# KiCad board explorekb-rev4.kicad_pcb
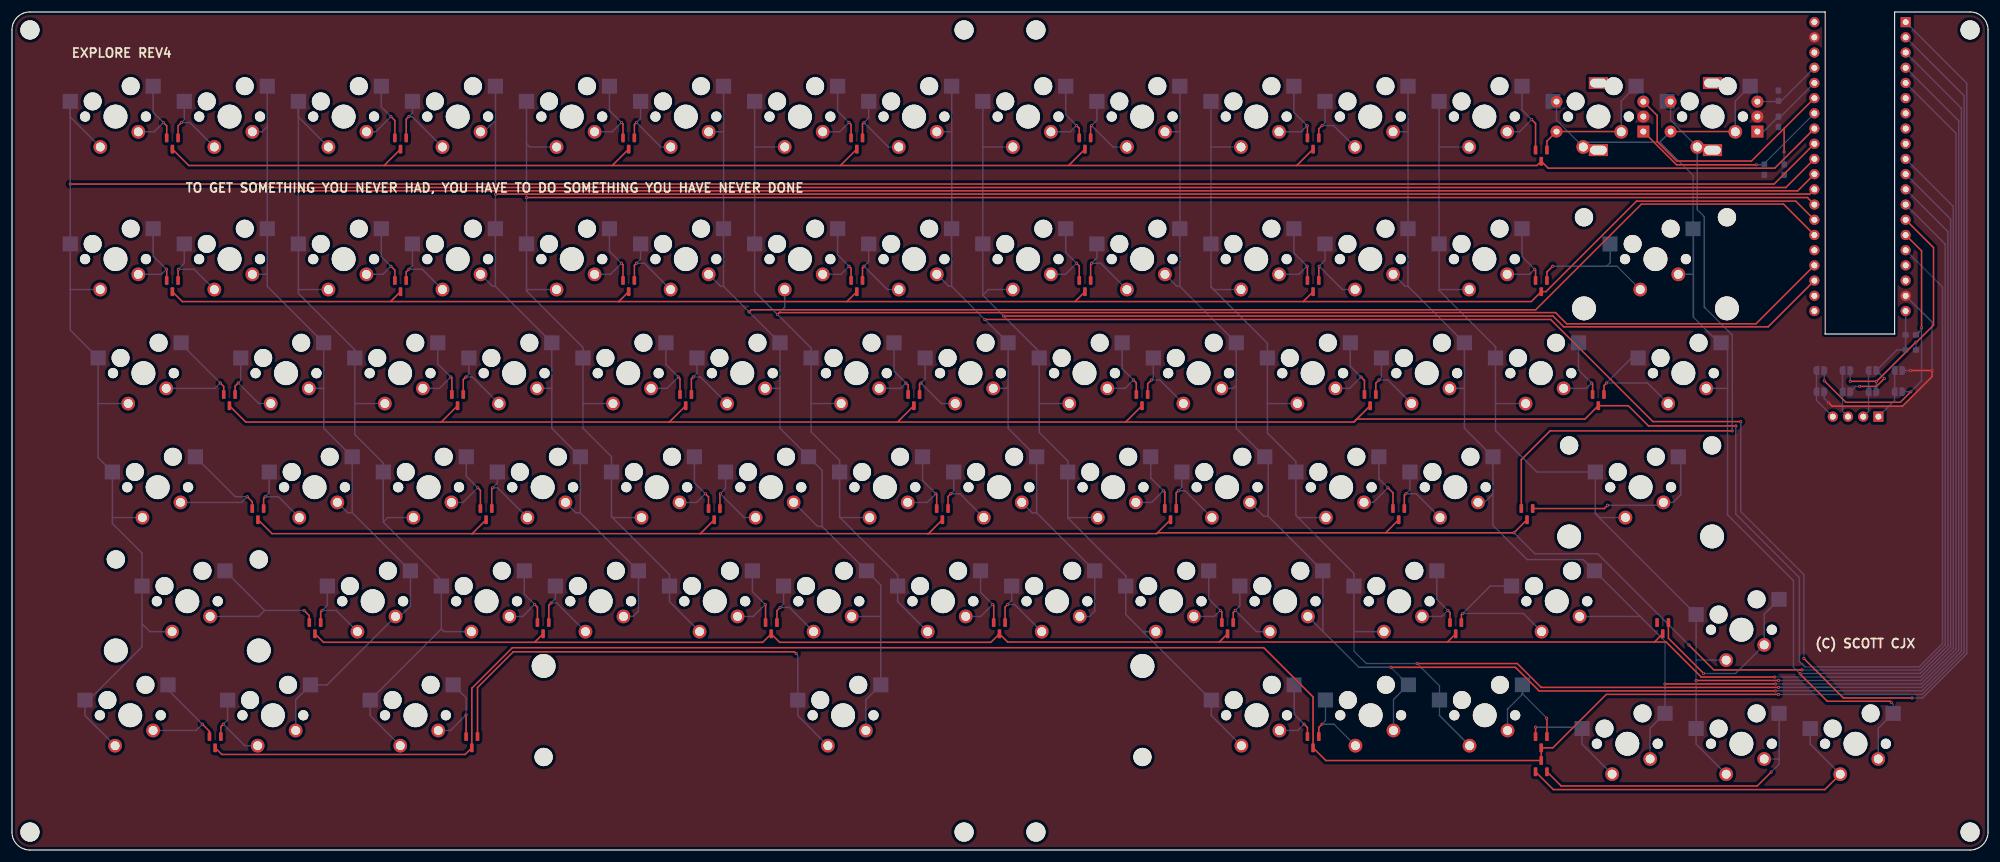
[diagram p0: board, top side]
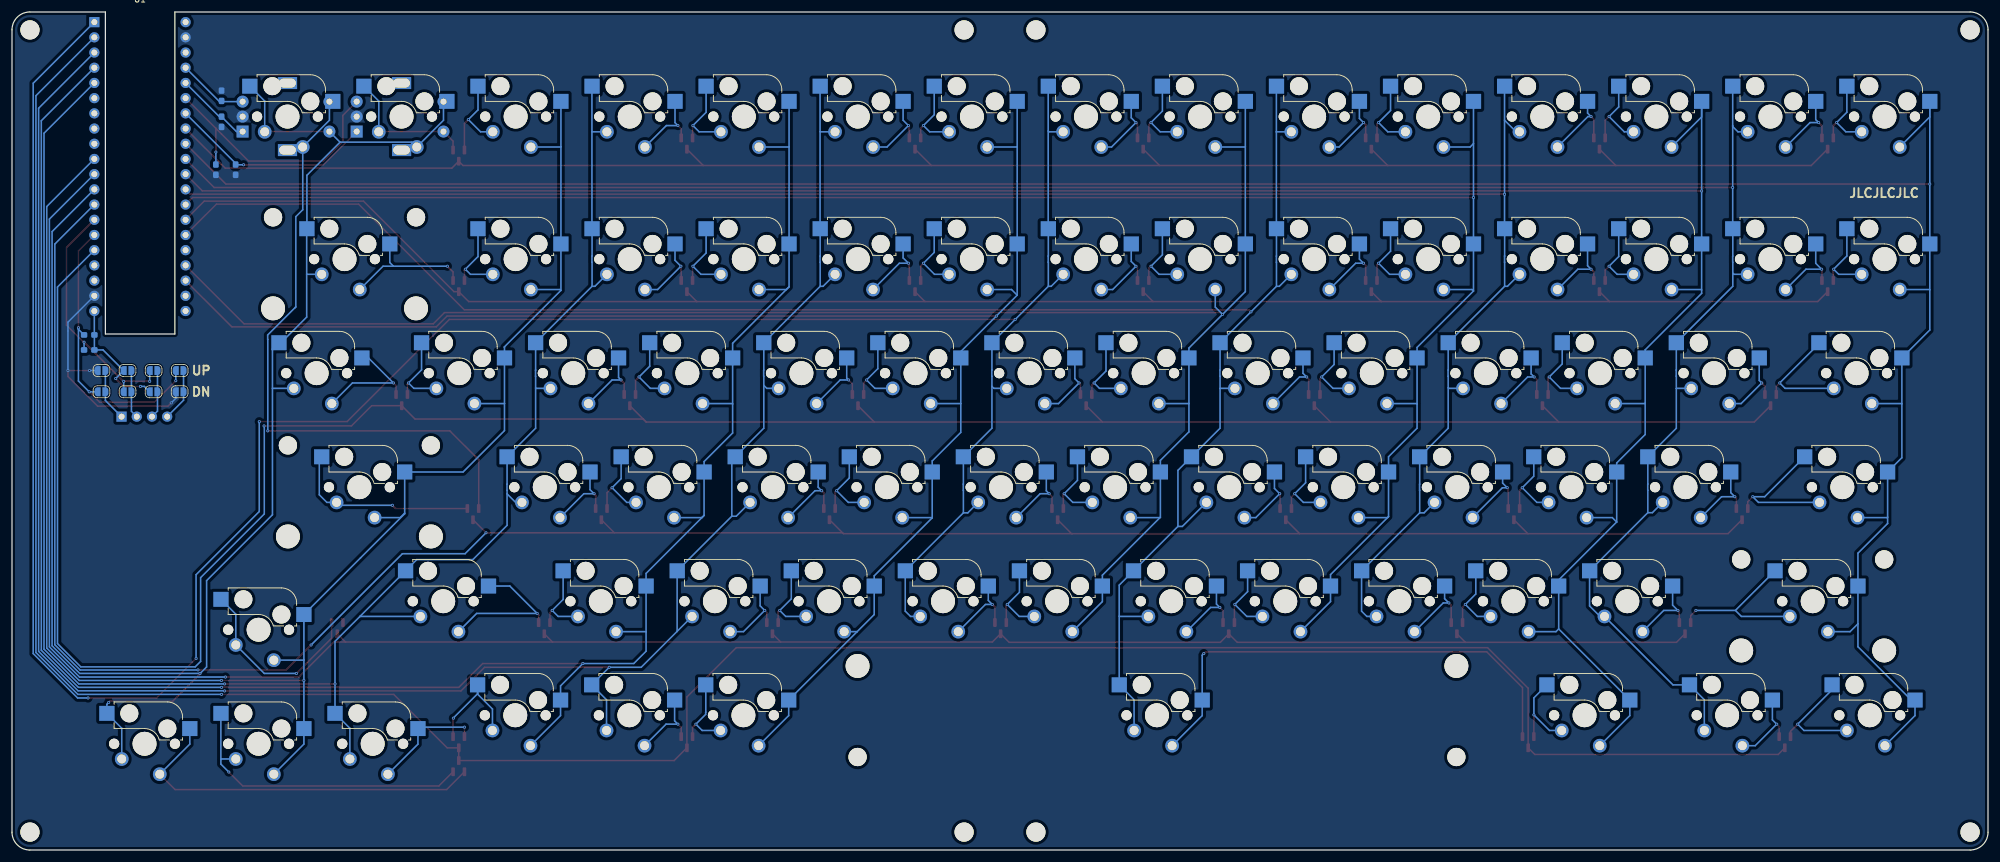
[diagram p1: board, bottom side, seen from below]

Outline 330 x 140 mm; copper layers: Top, Bottom. Coordinates in mm from the lower left corner of the outline.
Outline path: 0,137 arc(0.88,139.12) 3,140 302.8,140 302.8,86.2 314.4,86.2 314.4,140 327,140 arc(329.12,139.12) 330,137 330,3 arc(329.12,0.88) 327,0 3,0 arc(0.88,0.88) 0,3 0,137
Stack: Top 0.035mm / dielectric 1.51mm FR4 er 4.5 / Bottom 0.035mm

## Placement (name value [footprint] x y rotation side)
C1  100n  [C_0603]  295.95 113.65 270 bottom
C2  100n  [C_0603]  292.65 113.65 270 bottom
C3  100n  [C_0603]  295 126 90 bottom
C4  100n  [C_0603]  295 121.65 270 bottom
D1  BAT54C  [SOT-23]  26.79 118.03 270 top
D2  BAT54C  [SOT-23]  64.89 118.03 270 top
D3  BAT54C  [SOT-23]  102.99 118.03 270 top
D4  BAT54C  [SOT-23]  141.09 118.03 270 top
D5  BAT54C  [SOT-23]  179.19 118.03 270 top
D6  BAT54C  [SOT-23]  217.29 118.03 270 top
D7  BAT54C  [SOT-23]  255.39 116 270 top
D8  BAT54C  [SOT-23]  26.79 94.21 270 top
D9  BAT54C  [SOT-23]  64.89 94.21 270 top
D10  BAT54C  [SOT-23]  102.99 94.21 270 top
D11  BAT54C  [SOT-23]  141.09 94.21 270 top
D12  BAT54C  [SOT-23]  179.19 94.21 270 top
D13  BAT54C  [SOT-23]  217.29 94.21 270 top
D14  BAT54C  [SOT-23]  255.39 94.21 270 top
D15  BAT54C  [SOT-23]  36.31 75.16 270 top
D16  BAT54C  [SOT-23]  74.41 75.16 270 top
D17  BAT54C  [SOT-23]  112.51 75.16 270 top
D18  BAT54C  [SOT-23]  150.61 75.16 270 top
D19  BAT54C  [SOT-23]  188.71 75.16 270 top
D20  BAT54C  [SOT-23]  226.81 75.16 270 top
D21  BAT54C  [SOT-23]  264.91 75.16 270 top
D22  BAT54C  [SOT-23]  41.07 56.11 270 top
D23  BAT54C  [SOT-23]  79.17 56.11 270 top
D24  BAT54C  [SOT-23]  117.27 56.11 270 top
D25  BAT54C  [SOT-23]  155.37 56.11 270 top
D26  BAT54C  [SOT-23]  193.47 56.11 270 top
D27  BAT54C  [SOT-23]  231.57 56.11 270 top
D28  BAT54C  [SOT-23]  253.01 56.11 270 top
D29  BAT54C  [SOT-23]  50.6 37.06 270 top
D30  BAT54C  [SOT-23]  88.7 37.06 270 top
D31  BAT54C  [SOT-23]  126.8 37.06 270 top
D32  BAT54C  [SOT-23]  164.9 37.06 270 top
D33  BAT54C  [SOT-23]  203 37.06 270 top
D34  BAT54C  [SOT-23]  241.1 37.06 270 top
D35  BAT54C  [SOT-23]  275.67 37.06 270 top
D36  BAT54C  [SOT-23]  33.93 18.01 270 top
D37  BAT54C  [SOT-23]  76.79 18.01 270 top
D38  BAT54C  [SOT-23]  217.29 18.01 270 top
D39  BAT54C  [SOT-23]  255.39 18.01 270 top
D40  BAT54C  [SOT-23]  255.39 14.01 90 top
G***  LOGO  [muffin_glasses_fp]  307.95 56.1 0 top
JP1  SolderJumper_2_Open  [SolderJumper-2_P1.3mm_Open_RoundedPad1.0x1.5mm]  315.05 76.55 180 bottom
JP2  SolderJumper_2_Open  [SolderJumper-2_P1.3mm_Open_RoundedPad1.0x1.5mm]  310.7 76.55 180 bottom
JP3  SolderJumper_2_Open  [SolderJumper-2_P1.3mm_Open_RoundedPad1.0x1.5mm]  306.35 76.55 180 bottom
JP4  SolderJumper_2_Open  [SolderJumper-2_P1.3mm_Open_RoundedPad1.0x1.5mm]  302 76.55 180 bottom
JP5  SolderJumper_2_Open  [SolderJumper-2_P1.3mm_Open_RoundedPad1.0x1.5mm]  315.05 80.1 0 bottom
JP6  SolderJumper_2_Open  [SolderJumper-2_P1.3mm_Open_RoundedPad1.0x1.5mm]  310.7 80.1 0 bottom
JP7  SolderJumper_2_Open  [SolderJumper-2_P1.3mm_Open_RoundedPad1.0x1.5mm]  306.35 80.1 0 bottom
JP8  SolderJumper_2_Open  [SolderJumper-2_P1.3mm_Open_RoundedPad1.0x1.5mm]  302 80.1 0 bottom
R1  4k7  [C_0603]  317.1 86.05 0 bottom
R2  4k7  [C_0603]  317.1 83.54 0 bottom
REF**  M3 Hole  [MountingHole_3.2mm_M3]  327 3 0 top
REF**#2  M3 Hole  [MountingHole_3.2mm_M3]  159 3 0 top
REF**#3  M3 Hole  [MountingHole_3.2mm_M3]  3 137 0 top
REF**#4  M3 Hole  [MountingHole_3.2mm_M3]  171 3 0 top
REF**#5  M3 Hole  [MountingHole_3.2mm_M3]  327 137 0 top
REF**#6  M3 Hole  [MountingHole_3.2mm_M3]  3 3 0 top
REF**#7  M3 Hole  [MountingHole_3.2mm_M3]  159 137 0 top
REF**#8  M3 Hole  [MountingHole_3.2mm_M3]  171 137 0 top
STAB1  -  [Stabilizer_Cherry_MX_2.00u]  274.46 98.71 0 top
STAB2  -  [Stabilizer_Cherry_MX_2.00u]  271.98 60.61 0 top
STAB3  -  [Stabilizer_Cherry_MX_2.00u]  29.28 41.56 0 top
STAB4  -  [Stabilizer_Cherry_MX_6.25u]  138.79 22.53 180 top
SW1  SW_SPST  [MX_HS_Optional]  17.29 122.53 0 top
SW2  SW_SPST  [MX_HS_Optional]  36.34 122.53 0 top
SW3  SW_SPST  [MX_HS_Optional]  55.39 122.53 0 top
SW4  SW_SPST  [MX_HS_Optional]  74.44 122.53 0 top
SW5  SW_SPST  [MX_HS_Optional]  93.49 122.53 0 top
SW6  SW_SPST  [MX_HS_Optional]  112.54 122.53 0 top
SW7  SW_SPST  [MX_HS_Optional]  131.59 122.53 0 top
SW8  SW_SPST  [MX_HS_Optional]  150.64 122.53 0 top
SW9  SW_SPST  [MX_HS_Optional]  169.69 122.53 0 top
SW10  SW_SPST  [MX_HS_Optional]  188.74 122.53 0 top
SW11  SW_SPST  [MX_HS_Optional]  207.79 122.53 0 top
SW12  SW_SPST  [MX_HS_Optional]  226.84 122.53 0 top
SW13  SW_SPST  [MX_HS_Optional]  245.89 122.53 0 top
SW14  RotaryEncoder_Switch  [RotaryEncoder_EC11_MX_Opt]  264.94 122.53 180 top
SW15  RotaryEncoder_Switch  [RotaryEncoder_EC11_MX_Opt]  283.99 122.53 180 top
SW16  SW_SPST  [MX_HS_Optional]  17.29 98.71 0 top
SW17  SW_SPST  [MX_HS_Optional]  36.34 98.71 0 top
SW18  SW_SPST  [MX_HS_Optional]  55.39 98.71 0 top
SW19  SW_SPST  [MX_HS_Optional]  74.44 98.71 0 top
SW20  SW_SPST  [MX_HS_Optional]  93.49 98.71 0 top
SW21  SW_SPST  [MX_HS_Optional]  112.54 98.71 0 top
SW22  SW_SPST  [MX_HS_Optional]  131.59 98.71 0 top
SW23  SW_SPST  [MX_HS_Optional]  150.64 98.71 0 top
SW24  SW_SPST  [MX_HS_Optional]  169.69 98.71 0 top
SW25  SW_SPST  [MX_HS_Optional]  188.74 98.71 0 top
SW26  SW_SPST  [MX_HS_Optional]  207.79 98.71 0 top
SW27  SW_SPST  [MX_HS_Optional]  226.84 98.71 0 top
SW28  SW_SPST  [MX_HS_Optional]  245.89 98.71 0 top
SW29  SW_SPST  [MX_HS_Optional]  274.46 98.71 0 top
SW30  SW_SPST  [MX_HS_Optional]  21.95 79.66 0 top
SW31  SW_SPST  [MX_HS_Optional]  45.76 79.66 0 top
SW32  SW_SPST  [MX_HS_Optional]  64.81 79.66 0 top
SW33  SW_SPST  [MX_HS_Optional]  83.86 79.66 0 top
SW34  SW_SPST  [MX_HS_Optional]  102.91 79.66 0 top
SW35  SW_SPST  [MX_HS_Optional]  121.96 79.66 0 top
SW36  SW_SPST  [MX_HS_Optional]  141.01 79.66 0 top
SW37  SW_SPST  [MX_HS_Optional]  160.06 79.66 0 top
SW38  SW_SPST  [MX_HS_Optional]  179.11 79.66 0 top
SW39  SW_SPST  [MX_HS_Optional]  198.16 79.66 0 top
SW40  SW_SPST  [MX_HS_Optional]  217.21 79.66 0 top
SW41  SW_SPST  [MX_HS_Optional]  236.26 79.66 0 top
SW42  SW_SPST  [MX_HS_Optional]  255.31 79.66 0 top
SW43  SW_SPST  [MX_HS_Optional]  279.12 79.66 0 top
SW44  SW_SPST  [MX_HS_Optional]  24.33 60.61 0 top
SW45  SW_SPST  [MX_HS_Optional]  50.52 60.61 0 top
SW46  SW_SPST  [MX_HS_Optional]  69.57 60.61 0 top
SW47  SW_SPST  [MX_HS_Optional]  88.62 60.61 0 top
SW48  SW_SPST  [MX_HS_Optional]  107.67 60.61 0 top
SW49  SW_SPST  [MX_HS_Optional]  126.72 60.61 0 top
SW50  SW_SPST  [MX_HS_Optional]  145.77 60.61 0 top
SW51  SW_SPST  [MX_HS_Optional]  164.82 60.61 0 top
SW52  SW_SPST  [MX_HS_Optional]  183.87 60.61 0 top
SW53  SW_SPST  [MX_HS_Optional]  202.92 60.61 0 top
SW54  SW_SPST  [MX_HS_Optional]  221.97 60.61 0 top
SW55  SW_SPST  [MX_HS_Optional]  241.02 60.61 0 top
SW56  SW_SPST  [MX_HS_Optional]  271.98 60.61 0 top
SW57  SW_SPST  [MX_HS_Optional]  29.28 41.56 0 top
SW58  SW_SPST  [MX_HS_Optional]  60.24 41.56 0 top
SW59  SW_SPST  [MX_HS_Optional]  79.26 41.56 0 top
SW60  SW_SPST  [MX_HS_Optional]  98.31 41.56 0 top
SW61  SW_SPST  [MX_HS_Optional]  117.36 41.56 0 top
SW62  SW_SPST  [MX_HS_Optional]  136.41 41.56 0 top
SW63  SW_SPST  [MX_HS_Optional]  155.46 41.56 0 top
SW64  SW_SPST  [MX_HS_Optional]  174.51 41.56 0 top
SW65  SW_SPST  [MX_HS_Optional]  193.56 41.56 0 top
SW66  SW_SPST  [MX_HS_Optional]  212.61 41.56 0 top
SW67  SW_SPST  [MX_HS_Optional]  231.66 41.56 0 top
SW68  SW_SPST  [MX_HS_Optional]  257.98 41.56 0 top
SW69  SW_SPST  [MX_HS_Optional]  288.81 36.8 0 top
SW70  SW_SPST  [MX_HS_Optional]  19.76 22.51 0 top
SW71  SW_SPST  [MX_HS_Optional]  43.57 22.51 0 top
SW72  SW_SPST  [MX_HS_Optional]  67.38 22.51 0 top
SW73  SW_SPST  [MX_HS_Optional]  138.79 22.51 0 top
SW74  SW_SPST  [MX_HS_Optional]  207.85 22.51 0 top
SW75  SW_SPST  [MX_HS_Optional]  226.9 22.51 0 top
SW76  SW_SPST  [MX_HS_Optional]  245.95 22.51 0 top
SW77  SW_SPST  [MX_HS_Optional]  269.76 17.75 0 top
SW78  SW_SPST  [MX_HS_Optional]  288.81 17.75 0 top
SW79  SW_SPST  [MX_HS_Optional]  307.86 17.75 0 top
U1  WeAct_BlackPill  [WeAct_BlackPill_2]  316.25 138.31 180 bottom
U2  SSD1306  [SSD1306_128X32]  311.7 72.4 270 top

## Footprints (pads in the part's own frame, mm; a bottom-side part is the same pattern mirrored in y, then rotated)
C_0603
  rrect 1.075x0.95 smd: 1(-0.863,0) 2(0.863,0)
MountingHole_3.2mm_M3
  round 3.2 hole 3.2 unplated: (0,0)
MX_HS_Optional
  round 1.702 hole 1.702 unplated: (-5.08,0) (5.08,0)
  round 3 hole 3 unplated: (-3.81,2.54) (2.54,5.08)
  round 3.988 hole 3.988 unplated: (0,0)
  round 2.286 hole 1.499: 1(3.81,-2.54) 2(-2.54,-5.08)
  rect 2.55x2.5 smd far side: 1(6.29,5.08) 2(-7.56,2.54)
RotaryEncoder_EC11_MX_Opt
  round 1.702 hole 1.702 unplated: (-5.08,0) (5.08,0)
  round 3 hole 3 unplated: (-2.54,-5.08) (3.81,-2.54)
  round 3.988 hole 3.988 unplated: (0,0)
  rect 2x2 hole 1: A(-7.5,2.5)
  round 2 hole 1: B(-7.5,-2.5) C(-7.5,0) S1(7,2.5) S2(7,-2.5)
  rect 3.2x2 hole 2.8x1.5: MP(0,5.6) MP(0,-5.6)
  rect 2.55x2.5 smd far side: S1(-6.29,-5.08) S2(7.56,-2.54)
  round 2.286 hole 1.499: S1(-3.81,2.54) S2(2.54,5.08)
SolderJumper-2_P1.3mm_Open_RoundedPad1.0x1.5mm
  custom 1x1.5 smd: 1(-0.65,0) 2(0.65,0)
SOT-23
  rrect 1.475x0.6 smd: 1(-0.938,0.95) 2(-0.938,-0.95) 3(0.938,0)
SSD1306_128X32
  rect 1.7x1.7 hole 1: 1(0,0)
  oval 1.7x1.7 hole 1: 2(0,-2.54) 3(0,-5.08) 4(0,-7.62)
Stabilizer_Cherry_MX_2.00u
  round 3.048 hole 3.048 unplated: (-11.938,6.985) (11.938,6.985)
  round 3.988 hole 3.988 unplated: (-11.938,-8.225) (11.938,-8.225)
Stabilizer_Cherry_MX_6.25u
  round 3.048 hole 3.048 unplated: (-50,6.985) (50,6.985)
  round 3.988 hole 3.988 unplated: (-50,-8.225) (50,-8.225)
WeAct_BlackPill_2
  rect 1.7x1.7 hole 1: 1(0,0)
  round 1.7 hole 1: 2(0,-2.54) 3(0,-5.08) 4(0,-7.62) 5(0,-10.16) 6(0,-12.7) 7(0,-15.24) 8(0,-17.78) 9(0,-20.32) 10(0,-22.86) 11(0,-25.4) 12(0,-27.94) 13(0,-30.48) 14(0,-33.02) 15(0,-35.56) 16(0,-38.1) 17(0,-40.64) 18(0,-43.18) 19(0,-45.72) 20(0,-48.26) 21(15.24,-48.26) 22(15.24,-45.72) 23(15.24,-43.18) 24(15.24,-40.64) 25(15.24,-38.1) 26(15.24,-35.56) 27(15.24,-33.02) 28(15.24,-30.48) 29(15.24,-27.94) 30(15.24,-25.4) 31(15.24,-22.86) 32(15.24,-20.32) 33(15.24,-17.78) 34(15.24,-15.24) 35(15.24,-12.7) 36(15.24,-10.16) 37(15.24,-7.62) 38(15.24,-5.08) 39(15.24,-2.54) 40(15.24,0)

## Nets
+3V3: JP3.1 JP6.2 R1.1 R2.1 U1.20
GND: C1.2 C2.2 C3.2 C4.2 JP4.1 JP5.2 SW14.C SW15.C U1.19 U1.39
/COL 0: SW1.2 SW16.2 SW30.2 SW44.2 SW57.2 SW70.2 U1.32
/COL 1: SW2.1 SW17.1 SW31.1 SW45.1 SW58.1 SW71.1 U1.31
/COL 2: SW3.2 SW18.2 SW32.2 SW46.2 SW59.2 SW72.2 U1.30
/COL 3: SW4.1 SW19.1 SW33.1 SW47.1 SW60.1 U1.29
/COL 4: SW5.2 SW20.2 SW34.2 SW48.2 SW61.2 U1.28
/COL 5: SW6.1 SW21.1 SW35.1 SW49.1 SW62.1 SW73.1 U1.26
/COL 6: SW7.2 SW22.2 SW36.2 SW50.2 SW63.2 U1.24
/COL 7: SW8.1 SW23.1 SW37.1 SW51.1 SW64.1 U1.1
/COL 8: SW9.2 SW24.2 SW38.2 SW52.2 SW65.2 SW74.2 U1.23
/COL 9: SW10.1 SW25.1 SW39.1 SW53.1 SW66.1 SW75.1 U1.3
/COL 10: SW11.2 SW26.2 SW40.2 SW54.2 SW67.2 SW76.2 U1.4
/COL 11: SW12.1 SW27.1 SW41.1 SW55.1 SW68.1 SW77.1 U1.5
/COL 12: SW13.2 SW28.2 SW42.2 SW56.2 SW69.2 SW78.2 U1.10
/COL 13: SW14.S2 SW15.S1 SW29.1 SW43.1 SW79.1 U1.12
/Key Matrix/ROT1_2: D7.1 SW14.S1
/Key Matrix/ROT2_2: D28.2 SW15.S2
/ROT1_A: C1.1 SW14.B U1.35
/ROT1_B: C2.1 SW14.A U1.34
/ROT2_A: C3.1 SW15.B U1.37
/ROT2_B: C4.1 SW15.A U1.36
/ROW 0: D1.3 D2.3 D3.3 D4.3 D5.3 D6.3 D7.3 U1.33
/ROW 1: D8.3 D9.3 D10.3 D11.3 D12.3 D13.3 D14.3 U1.27
/ROW 2: D15.3 D16.3 D17.3 D18.3 D19.3 D20.3 D21.3 U1.16
/ROW 3: D22.3 D23.3 D24.3 D25.3 D26.3 D27.3 D28.3 U1.13
/ROW 4: D29.3 D30.3 D31.3 D32.3 D33.3 D34.3 D35.3 U1.11
/ROW 5: D36.3 D37.3 D38.3 D39.3 D40.3 U1.2
/SCL1: JP2.1 JP7.2 R2.2 U1.14
/SDA1: JP1.1 JP8.2 R1.2 U1.15
/UART1_RX: U1.7
/UART1_TX: U1.6
/~{RST}: U1.25
Net-(D1-Pad1): D1.1 SW2.2
Net-(D1-Pad2): D1.2 SW1.1
Net-(D2-Pad1): D2.1 SW4.2
Net-(D2-Pad2): D2.2 SW3.1
Net-(D3-Pad1): D3.1 SW6.2
Net-(D3-Pad2): D3.2 SW5.1
Net-(D4-Pad1): D4.1 SW8.2
Net-(D4-Pad2): D4.2 SW7.1
Net-(D5-Pad1): D5.1 SW10.2
Net-(D5-Pad2): D5.2 SW9.1
Net-(D6-Pad1): D6.1 SW12.2
Net-(D6-Pad2): D6.2 SW11.1
Net-(D7-Pad2): D7.2 SW13.1
Net-(D8-Pad1): D8.1 SW17.2
Net-(D8-Pad2): D8.2 SW16.1
Net-(D9-Pad1): D9.1 SW19.2
Net-(D9-Pad2): D9.2 SW18.1
Net-(D10-Pad1): D10.1 SW21.2
Net-(D10-Pad2): D10.2 SW20.1
Net-(D11-Pad1): D11.1 SW23.2
Net-(D11-Pad2): D11.2 SW22.1
Net-(D12-Pad1): D12.1 SW25.2
Net-(D12-Pad2): D12.2 SW24.1
Net-(D13-Pad1): D13.1 SW27.2
Net-(D13-Pad2): D13.2 SW26.1
Net-(D14-Pad1): D14.1 SW29.2
Net-(D14-Pad2): D14.2 SW28.1
Net-(D15-Pad1): D15.1 SW31.2
Net-(D15-Pad2): D15.2 SW30.1
Net-(D16-Pad1): D16.1 SW33.2
Net-(D16-Pad2): D16.2 SW32.1
Net-(D17-Pad1): D17.1 SW35.2
Net-(D17-Pad2): D17.2 SW34.1
Net-(D18-Pad1): D18.1 SW37.2
Net-(D18-Pad2): D18.2 SW36.1
Net-(D19-Pad1): D19.1 SW39.2
Net-(D19-Pad2): D19.2 SW38.1
Net-(D20-Pad1): D20.1 SW41.2
Net-(D20-Pad2): D20.2 SW40.1
Net-(D21-Pad1): D21.1 SW43.2
Net-(D21-Pad2): D21.2 SW42.1
Net-(D22-Pad1): D22.1 SW45.2
Net-(D22-Pad2): D22.2 SW44.1
Net-(D23-Pad1): D23.1 SW47.2
Net-(D23-Pad2): D23.2 SW46.1
Net-(D24-Pad1): D24.1 SW49.2
Net-(D24-Pad2): D24.2 SW48.1
Net-(D25-Pad1): D25.1 SW51.2
Net-(D25-Pad2): D25.2 SW50.1
Net-(D26-Pad1): D26.1 SW53.2
Net-(D26-Pad2): D26.2 SW52.1
Net-(D27-Pad1): D27.1 SW55.2
Net-(D27-Pad2): D27.2 SW54.1
Net-(D28-Pad1): D28.1 SW56.1
Net-(D29-Pad1): D29.1 SW58.2
Net-(D29-Pad2): D29.2 SW57.1
Net-(D30-Pad1): D30.1 SW60.2
Net-(D30-Pad2): D30.2 SW59.1
Net-(D31-Pad1): D31.1 SW62.2
Net-(D31-Pad2): D31.2 SW61.1
Net-(D32-Pad1): D32.1 SW64.2
Net-(D32-Pad2): D32.2 SW63.1
Net-(D33-Pad1): D33.1 SW66.2
Net-(D33-Pad2): D33.2 SW65.1
Net-(D34-Pad1): D34.1 SW68.2
Net-(D34-Pad2): D34.2 SW67.1
Net-(D35-Pad1): D35.1 SW69.1
Net-(D36-Pad1): D36.1 SW71.2
Net-(D36-Pad2): D36.2 SW70.1
Net-(D37-Pad1): D37.1 SW73.2
Net-(D37-Pad2): D37.2 SW72.1
Net-(D38-Pad1): D38.1 SW75.2
Net-(D38-Pad2): D38.2 SW74.1
Net-(D39-Pad1): D39.1 SW76.1
Net-(D39-Pad2): D39.2 SW77.2
Net-(D40-Pad1): D40.1 SW79.2
Net-(D40-Pad2): D40.2 SW78.1
Net-(JP1-Pad2): JP1.2 JP5.1 U2.1
Net-(JP2-Pad2): JP2.2 JP6.1 U2.2
Net-(JP3-Pad2): JP3.2 JP7.1 U2.3
Net-(JP4-Pad2): JP4.2 JP8.1 U2.4

Pads without a net: D35 2; SW14 MP; SW15 MP; U1 8 9 17 18 21 22 38 40

## Via types
v1: diameter 0.5, hole 0.25, Top to Bottom, 118 vias

## Routing (per net, layer and track width the routed paths; a pad name or vN(x,y) marks a point on that pad's centre or on a via; arc(x,y) is an arc through that point)
+3V3: length 21.3
  Top w0.25: v1(312.68,78.77) 311.36,77.45 v1(308.55,77.45)
  Bottom w0.25: U1.20 316.25,86.06 R1.1 R2.1 314.79,83.54 JP6.2 v1(312.68,78.77) ; JP3.1 307.9,77.45 v1(308.55,77.45)
GND: length 41.9
  Top w0.25: v1(317.05,80.1) v1(320.65,80.1) 320.65,79.1 315.7,74.15 303.95,74.15 v1(303.4,74.7)
  Bottom w0.25: v1(303.4,74.7) 302.65,75.45 JP4.1 ; 316.25,92.58 320.65,88.18 v1(320.65,80.1) ; v1(317.05,80.1) JP5.2
/COL 0: length 443.4
  Top w0.25: v1(9.73,111.25) 9.73,111.26 294.28,111.26 U1.32
  Bottom w0.25: 9.73,93.58 9.78,93.63 SW16.2 ; 9.73,93.58 SW16.2 9.73,125.06 9.73,122.47 14.75,117.44 ; 9.73,93.58 9.73,86.86 SW30.2 14.39,74.54 ; 21.72,37.8 23.03,36.48 SW57.2 ; 21.72,37.8 SW57.2 21.72,49.59 16.77,54.54 16.77,55.6 ; 21.72,37.8 21.72,33.96 12.81,25.05 SW70.2 12.2,22.45 SW70.2 ; 16.77,55.6 SW44.2 14.39,65.53 14.39,74.54 ; 16.77,55.6 16.84,55.53 SW44.2 ; 14.39,74.54 14.43,74.58 SW30.2
/COL 1: length 399.2
  Top w0.25: U1.31 296.24,110.67 48.07,110.67 48.07,110.68 47.59,110.68 47.59,110.67 42.65,110.67 v1(42.64,110.68)
  Bottom w0.25: 42.63,96.35 42.63,98.19 42.64,98.2 42.64,99.22 42.63,99.24 SW17.1 42.64,103.81 42.64,121.03 ; 42.63,96.35 42.45,96.17 SW17.1 ; 42.63,96.35 42.63,94.17 SW31.1 52.05,80.19 52.07,80.17 52.07,79.15 52.05,79.14 52.05,77.1 ; 52.05,77.1 52.05,70.46 SW45.1 56.81,61.14 56.83,61.12 56.83,60.1 56.81,60.09 56.81,56.35 ; 52.05,77.1 52.03,77.12 SW31.1 ; 42.64,121.03 42.64,127.59 SW2.1 ; 42.64,121.03 42.64,120.86 41.76,119.98 SW2.1 ; SW45.1 56.05,56.35 56.81,56.35 ; 56.81,56.35 SW58.1 66.54,46.63 66.54,40.78 64.78,39.02 SW58.1 52.62,27.59 SW71.1 47.38,25.11 SW71.1
/COL 2: length 409.2
  Top w0.25: U1.30 298.22,110.12 47.84,110.12 v1(47.83,110.1)
  Bottom w0.25: SW59.2 72.15,36.48 71.7,36.93 ; SW72.2 59.82,22.45 SW72.2 71.7,36.93 ; 62.01,54.8 SW46.2 62.01,64.65 57.25,69.41 57.25,74.65 ; 62.01,54.8 71.7,45.11 SW59.2 71.7,36.93 ; 62.01,54.8 62.75,55.53 SW46.2 ; SW18.2 47.91,93.63 47.83,93.55 ; 57.25,74.65 57.32,74.58 SW32.2 ; 57.25,74.65 SW32.2 57.25,83.56 47.83,92.98 47.83,93.55 ; 47.83,93.55 SW18.2 47.83,125.06 47.83,122.47 52.85,117.44
/COL 3: length 333.4
  Top w0.25: U1.29 300.21,109.58 80.78,109.58 v1(80.74,109.54)